# KiCad board GanJing 65 rev 2 solder-rounded.kicad_pcb (continued)
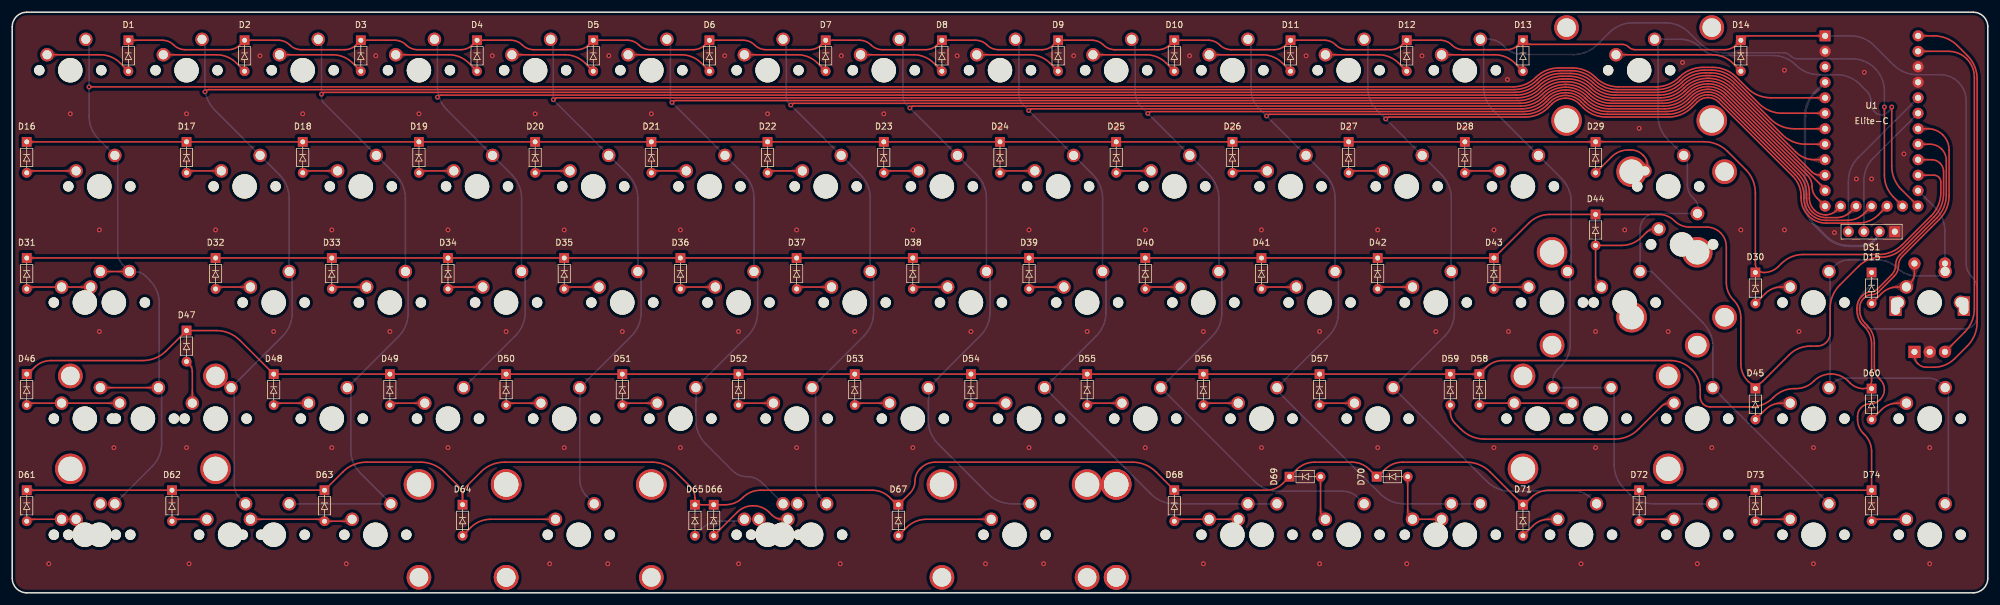
[diagram p0: board, top side]
## Copper pours and planes (outline as drawn; the poured copper is in the pictures) (continued)
Net-(D17-Pad2) on Top: 32.1,69.09 32.36,69.08 32.57,69.04 32.75,68.97 32.9,68.89 33.03,68.8 33.15,68.69 33.28,68.58 33.43,68.46 33.6,68.34 33.81,68.22 34.84,69.22 33.81,70.2 33.6,70.09 33.43,69.97 33.28,69.85 33.15,69.74 33.03,69.63 32.9,69.54 32.75,69.46 32.57,69.39 32.36,69.35 32.1,69.34
Net-(D18-Pad2) on Top: 49.16,69.34 48.95,69.35 48.78,69.37 48.63,69.41 48.5,69.46 48.38,69.51 48.26,69.56 48.14,69.61 48,69.65 47.85,69.68 47.66,69.7 47.26,68.74 48.23,68.37 48.32,68.49 48.4,68.6 48.47,68.7 48.54,68.8 48.6,68.88 48.68,68.95 48.77,69.01 48.87,69.05 49,69.08 49.16,69.09
Net-(D18-Pad2) on Top: 51.15,69.09 51.41,69.08 51.62,69.04 51.8,68.97 51.95,68.89 52.08,68.8 52.2,68.69 52.33,68.58 52.48,68.46 52.65,68.34 52.86,68.22 53.89,69.22 52.86,70.2 52.65,70.09 52.48,69.97 52.33,69.85 52.2,69.74 52.08,69.63 51.95,69.54 51.8,69.46 51.62,69.39 51.41,69.35 51.15,69.34
Net-(D18-Pad2) on Top: 49.16,69.34 48.95,69.35 48.78,69.37 48.63,69.41 48.5,69.46 48.38,69.51 48.26,69.56 48.14,69.61 48,69.65 47.85,69.68 47.66,69.7 47.26,68.74 48.23,68.37 48.32,68.49 48.4,68.6 48.47,68.7 48.54,68.8 48.6,68.88 48.68,68.95 48.77,69.01 48.87,69.05 49,69.08 49.16,69.09
Net-(D18-Pad2) on Top: 51.15,69.09 51.41,69.08 51.62,69.04 51.8,68.97 51.95,68.89 52.08,68.8 52.2,68.69 52.33,68.58 52.48,68.46 52.65,68.34 52.86,68.22 53.89,69.22 52.86,70.2 52.65,70.09 52.48,69.97 52.33,69.85 52.2,69.74 52.08,69.63 51.95,69.54 51.8,69.46 51.62,69.39 51.41,69.35 51.15,69.34
Net-(D19-Pad2) on Top: 68.21,69.34 68,69.35 67.83,69.37 67.68,69.41 67.55,69.46 67.43,69.51 67.31,69.56 67.19,69.61 67.05,69.65 66.9,69.68 66.71,69.7 66.31,68.74 67.28,68.37 67.37,68.49 67.45,68.6 67.52,68.7 67.59,68.8 67.65,68.88 67.73,68.95 67.82,69.01 67.92,69.05 68.05,69.08 68.21,69.09
Net-(D19-Pad2) on Top: 68.21,69.34 68,69.35 67.83,69.37 67.68,69.41 67.55,69.46 67.43,69.51 67.31,69.56 67.19,69.61 67.05,69.65 66.9,69.68 66.71,69.7 66.31,68.74 67.28,68.37 67.37,68.49 67.45,68.6 67.52,68.7 67.59,68.8 67.65,68.88 67.73,68.95 67.82,69.01 67.92,69.05 68.05,69.08 68.21,69.09
Net-(D19-Pad2) on Top: 70.2,69.09 70.46,69.08 70.67,69.04 70.85,68.97 71,68.89 71.13,68.8 71.25,68.69 71.38,68.58 71.53,68.46 71.7,68.34 71.91,68.22 72.94,69.22 71.91,70.2 71.7,70.09 71.53,69.97 71.38,69.85 71.25,69.74 71.13,69.63 71,69.54 70.85,69.46 70.67,69.39 70.46,69.35 70.2,69.34
Net-(D19-Pad2) on Top: 70.2,69.09 70.46,69.08 70.67,69.04 70.85,68.97 71,68.89 71.13,68.8 71.25,68.69 71.38,68.58 71.53,68.46 71.7,68.34 71.91,68.22 72.94,69.22 71.91,70.2 71.7,70.09 71.53,69.97 71.38,69.85 71.25,69.74 71.13,69.63 71,69.54 70.85,69.46 70.67,69.39 70.46,69.35 70.2,69.34
Net-(D20-Pad2) on Top: 87.26,69.34 87.05,69.35 86.88,69.37 86.73,69.41 86.6,69.46 86.48,69.51 86.36,69.56 86.24,69.61 86.1,69.65 85.95,69.68 85.76,69.7 85.36,68.74 86.33,68.37 86.42,68.49 86.5,68.6 86.57,68.7 86.64,68.8 86.7,68.88 86.78,68.95 86.87,69.01 86.97,69.05 87.1,69.08 87.26,69.09
Net-(D20-Pad2) on Top: 89.25,69.09 89.51,69.08 89.72,69.04 89.9,68.97 90.05,68.89 90.18,68.8 90.3,68.69 90.43,68.58 90.58,68.46 90.75,68.34 90.96,68.22 91.99,69.22 90.96,70.2 90.75,70.09 90.58,69.97 90.43,69.85 90.3,69.74 90.18,69.63 90.05,69.54 89.9,69.46 89.72,69.39 89.51,69.35 89.25,69.34
Net-(D20-Pad2) on Top: 87.26,69.34 87.05,69.35 86.88,69.37 86.73,69.41 86.6,69.46 86.48,69.51 86.36,69.56 86.24,69.61 86.1,69.65 85.95,69.68 85.76,69.7 85.36,68.74 86.33,68.37 86.42,68.49 86.5,68.6 86.57,68.7 86.64,68.8 86.7,68.88 86.78,68.95 86.87,69.01 86.97,69.05 87.1,69.08 87.26,69.09
Net-(D20-Pad2) on Top: 89.25,69.09 89.51,69.08 89.72,69.04 89.9,68.97 90.05,68.89 90.18,68.8 90.3,68.69 90.43,68.58 90.58,68.46 90.75,68.34 90.96,68.22 91.99,69.22 90.96,70.2 90.75,70.09 90.58,69.97 90.43,69.85 90.3,69.74 90.18,69.63 90.05,69.54 89.9,69.46 89.72,69.39 89.51,69.35 89.25,69.34
Net-(D21-Pad2) on Top: 108.3,69.09 108.56,69.08 108.77,69.04 108.95,68.97 109.1,68.89 109.23,68.8 109.35,68.69 109.48,68.58 109.63,68.46 109.8,68.34 110.01,68.22 111.04,69.22 110.01,70.2 109.8,70.09 109.63,69.97 109.48,69.85 109.35,69.74 109.23,69.63 109.1,69.54 108.95,69.46 108.77,69.39 108.56,69.35 108.3,69.34
Net-(D21-Pad2) on Top: 108.3,69.09 108.56,69.08 108.77,69.04 108.95,68.97 109.1,68.89 109.23,68.8 109.35,68.69 109.48,68.58 109.63,68.46 109.8,68.34 110.01,68.22 111.04,69.22 110.01,70.2 109.8,70.09 109.63,69.97 109.48,69.85 109.35,69.74 109.23,69.63 109.1,69.54 108.95,69.46 108.77,69.39 108.56,69.35 108.3,69.34
Net-(D21-Pad2) on Top: 106.31,69.34 106.1,69.35 105.93,69.37 105.78,69.41 105.65,69.46 105.53,69.51 105.41,69.56 105.29,69.61 105.15,69.65 105,69.68 104.81,69.7 104.41,68.74 105.38,68.37 105.47,68.49 105.55,68.6 105.62,68.7 105.69,68.8 105.75,68.88 105.83,68.95 105.92,69.01 106.02,69.05 106.15,69.08 106.31,69.09
Net-(D21-Pad2) on Top: 106.31,69.34 106.1,69.35 105.93,69.37 105.78,69.41 105.65,69.46 105.53,69.51 105.41,69.56 105.29,69.61 105.15,69.65 105,69.68 104.81,69.7 104.41,68.74 105.38,68.37 105.47,68.49 105.55,68.6 105.62,68.7 105.69,68.8 105.75,68.88 105.83,68.95 105.92,69.01 106.02,69.05 106.15,69.08 106.31,69.09
Net-(D22-Pad2) on Top: 125.36,69.34 125.15,69.35 124.98,69.37 124.83,69.41 124.7,69.46 124.58,69.51 124.46,69.56 124.34,69.61 124.2,69.65 124.05,69.68 123.86,69.7 123.46,68.74 124.43,68.37 124.52,68.49 124.6,68.6 124.67,68.7 124.74,68.8 124.8,68.88 124.88,68.95 124.97,69.01 125.07,69.05 125.2,69.08 125.36,69.09
Net-(D22-Pad2) on Top: 127.35,69.09 127.61,69.08 127.82,69.04 128,68.97 128.15,68.89 128.28,68.8 128.4,68.69 128.53,68.58 128.68,68.46 128.85,68.34 129.06,68.22 130.09,69.22 129.06,70.2 128.85,70.09 128.68,69.97 128.53,69.85 128.4,69.74 128.28,69.63 128.15,69.54 128,69.46 127.82,69.39 127.61,69.35 127.35,69.34
Net-(D22-Pad2) on Top: 127.35,69.09 127.61,69.08 127.82,69.04 128,68.97 128.15,68.89 128.28,68.8 128.4,68.69 128.53,68.58 128.68,68.46 128.85,68.34 129.06,68.22 130.09,69.22 129.06,70.2 128.85,70.09 128.68,69.97 128.53,69.85 128.4,69.74 128.28,69.63 128.15,69.54 128,69.46 127.82,69.39 127.61,69.35 127.35,69.34
Net-(D22-Pad2) on Top: 125.36,69.34 125.15,69.35 124.98,69.37 124.83,69.41 124.7,69.46 124.58,69.51 124.46,69.56 124.34,69.61 124.2,69.65 124.05,69.68 123.86,69.7 123.46,68.74 124.43,68.37 124.52,68.49 124.6,68.6 124.67,68.7 124.74,68.8 124.8,68.88 124.88,68.95 124.97,69.01 125.07,69.05 125.2,69.08 125.36,69.09
Net-(D23-Pad2) on Top: 144.41,69.34 144.2,69.35 144.03,69.37 143.88,69.41 143.75,69.46 143.63,69.51 143.51,69.56 143.39,69.61 143.25,69.65 143.1,69.68 142.91,69.7 142.51,68.74 143.48,68.37 143.57,68.49 143.65,68.6 143.72,68.7 143.79,68.8 143.85,68.88 143.93,68.95 144.02,69.01 144.12,69.05 144.25,69.08 144.41,69.09
Net-(D23-Pad2) on Top: 146.4,69.09 146.66,69.08 146.87,69.04 147.05,68.97 147.2,68.89 147.33,68.8 147.45,68.69 147.58,68.58 147.73,68.46 147.9,68.34 148.11,68.22 149.14,69.22 148.11,70.2 147.9,70.09 147.73,69.97 147.58,69.85 147.45,69.74 147.33,69.63 147.2,69.54 147.05,69.46 146.87,69.39 146.66,69.35 146.4,69.34
Net-(D23-Pad2) on Top: 144.41,69.34 144.2,69.35 144.03,69.37 143.88,69.41 143.75,69.46 143.63,69.51 143.51,69.56 143.39,69.61 143.25,69.65 143.1,69.68 142.91,69.7 142.51,68.74 143.48,68.37 143.57,68.49 143.65,68.6 143.72,68.7 143.79,68.8 143.85,68.88 143.93,68.95 144.02,69.01 144.12,69.05 144.25,69.08 144.41,69.09
Net-(D23-Pad2) on Top: 146.4,69.09 146.66,69.08 146.87,69.04 147.05,68.97 147.2,68.89 147.33,68.8 147.45,68.69 147.58,68.58 147.73,68.46 147.9,68.34 148.11,68.22 149.14,69.22 148.11,70.2 147.9,70.09 147.73,69.97 147.58,69.85 147.45,69.74 147.33,69.63 147.2,69.54 147.05,69.46 146.87,69.39 146.66,69.35 146.4,69.34
Net-(D24-Pad2) on Top: 163.46,69.34 163.25,69.35 163.08,69.37 162.93,69.41 162.8,69.46 162.68,69.51 162.56,69.56 162.44,69.61 162.3,69.65 162.15,69.68 161.96,69.7 161.56,68.74 162.53,68.37 162.62,68.49 162.7,68.6 162.77,68.7 162.84,68.8 162.9,68.88 162.98,68.95 163.07,69.01 163.17,69.05 163.3,69.08 163.46,69.09
Net-(D24-Pad2) on Top: 165.45,69.09 165.71,69.08 165.92,69.04 166.1,68.97 166.25,68.89 166.38,68.8 166.5,68.69 166.63,68.58 166.78,68.46 166.95,68.34 167.16,68.22 168.19,69.22 167.16,70.2 166.95,70.09 166.78,69.97 166.63,69.85 166.5,69.74 166.38,69.63 166.25,69.54 166.1,69.46 165.92,69.39 165.71,69.35 165.45,69.34
Net-(D24-Pad2) on Top: 163.46,69.34 163.25,69.35 163.08,69.37 162.93,69.41 162.8,69.46 162.68,69.51 162.56,69.56 162.44,69.61 162.3,69.65 162.15,69.68 161.96,69.7 161.56,68.74 162.53,68.37 162.62,68.49 162.7,68.6 162.77,68.7 162.84,68.8 162.9,68.88 162.98,68.95 163.07,69.01 163.17,69.05 163.3,69.08 163.46,69.09
Net-(D24-Pad2) on Top: 165.45,69.09 165.71,69.08 165.92,69.04 166.1,68.97 166.25,68.89 166.38,68.8 166.5,68.69 166.63,68.58 166.78,68.46 166.95,68.34 167.16,68.22 168.19,69.22 167.16,70.2 166.95,70.09 166.78,69.97 166.63,69.85 166.5,69.74 166.38,69.63 166.25,69.54 166.1,69.46 165.92,69.39 165.71,69.35 165.45,69.34
Net-(D25-Pad2) on Top: 182.51,69.34 182.3,69.35 182.13,69.37 181.98,69.41 181.85,69.46 181.73,69.51 181.61,69.56 181.49,69.61 181.35,69.65 181.2,69.68 181.01,69.7 180.61,68.74 181.58,68.37 181.67,68.49 181.75,68.6 181.82,68.7 181.89,68.8 181.95,68.88 182.03,68.95 182.12,69.01 182.22,69.05 182.35,69.08 182.51,69.09
Net-(D25-Pad2) on Top: 184.5,69.09 184.76,69.08 184.97,69.04 185.15,68.97 185.3,68.89 185.43,68.8 185.55,68.69 185.68,68.58 185.83,68.46 186,68.34 186.21,68.22 187.24,69.22 186.21,70.2 186,70.09 185.83,69.97 185.68,69.85 185.55,69.74 185.43,69.63 185.3,69.54 185.15,69.46 184.97,69.39 184.76,69.35 184.5,69.34
Net-(D25-Pad2) on Top: 184.5,69.09 184.76,69.08 184.97,69.04 185.15,68.97 185.3,68.89 185.43,68.8 185.55,68.69 185.68,68.58 185.83,68.46 186,68.34 186.21,68.22 187.24,69.22 186.21,70.2 186,70.09 185.83,69.97 185.68,69.85 185.55,69.74 185.43,69.63 185.3,69.54 185.15,69.46 184.97,69.39 184.76,69.35 184.5,69.34
Net-(D25-Pad2) on Top: 182.51,69.34 182.3,69.35 182.13,69.37 181.98,69.41 181.85,69.46 181.73,69.51 181.61,69.56 181.49,69.61 181.35,69.65 181.2,69.68 181.01,69.7 180.61,68.74 181.58,68.37 181.67,68.49 181.75,68.6 181.82,68.7 181.89,68.8 181.95,68.88 182.03,68.95 182.12,69.01 182.22,69.05 182.35,69.08 182.51,69.09
Net-(D26-Pad2) on Top: 201.56,69.34 201.35,69.35 201.18,69.37 201.03,69.41 200.9,69.46 200.78,69.51 200.66,69.56 200.54,69.61 200.4,69.65 200.25,69.68 200.06,69.7 199.66,68.74 200.63,68.37 200.72,68.49 200.8,68.6 200.87,68.7 200.94,68.8 201,68.88 201.08,68.95 201.17,69.01 201.27,69.05 201.4,69.08 201.56,69.09
Net-(D26-Pad2) on Top: 203.55,69.09 203.81,69.08 204.02,69.04 204.2,68.97 204.35,68.89 204.48,68.8 204.6,68.69 204.73,68.58 204.88,68.46 205.05,68.34 205.26,68.22 206.29,69.22 205.26,70.2 205.05,70.09 204.88,69.97 204.73,69.85 204.6,69.74 204.48,69.63 204.35,69.54 204.2,69.46 204.02,69.39 203.81,69.35 203.55,69.34
Net-(D26-Pad2) on Top: 203.55,69.09 203.81,69.08 204.02,69.04 204.2,68.97 204.35,68.89 204.48,68.8 204.6,68.69 204.73,68.58 204.88,68.46 205.05,68.34 205.26,68.22 206.29,69.22 205.26,70.2 205.05,70.09 204.88,69.97 204.73,69.85 204.6,69.74 204.48,69.63 204.35,69.54 204.2,69.46 204.02,69.39 203.81,69.35 203.55,69.34
Net-(D26-Pad2) on Top: 201.56,69.34 201.35,69.35 201.18,69.37 201.03,69.41 200.9,69.46 200.78,69.51 200.66,69.56 200.54,69.61 200.4,69.65 200.25,69.68 200.06,69.7 199.66,68.74 200.63,68.37 200.72,68.49 200.8,68.6 200.87,68.7 200.94,68.8 201,68.88 201.08,68.95 201.17,69.01 201.27,69.05 201.4,69.08 201.56,69.09
Net-(D27-Pad2) on Top: 222.6,69.09 222.86,69.08 223.07,69.04 223.25,68.97 223.4,68.89 223.53,68.8 223.65,68.69 223.78,68.58 223.93,68.46 224.1,68.34 224.31,68.22 225.34,69.22 224.31,70.2 224.1,70.09 223.93,69.97 223.78,69.85 223.65,69.74 223.53,69.63 223.4,69.54 223.25,69.46 223.07,69.39 222.86,69.35 222.6,69.34
Net-(D27-Pad2) on Top: 222.6,69.09 222.86,69.08 223.07,69.04 223.25,68.97 223.4,68.89 223.53,68.8 223.65,68.69 223.78,68.58 223.93,68.46 224.1,68.34 224.31,68.22 225.34,69.22 224.31,70.2 224.1,70.09 223.93,69.97 223.78,69.85 223.65,69.74 223.53,69.63 223.4,69.54 223.25,69.46 223.07,69.39 222.86,69.35 222.6,69.34
Net-(D27-Pad2) on Top: 220.61,69.34 220.4,69.35 220.23,69.37 220.08,69.41 219.95,69.46 219.83,69.51 219.71,69.56 219.59,69.61 219.45,69.65 219.3,69.68 219.11,69.7 218.71,68.74 219.68,68.37 219.77,68.49 219.85,68.6 219.92,68.7 219.99,68.8 220.05,68.88 220.13,68.95 220.22,69.01 220.32,69.05 220.45,69.08 220.61,69.09
Net-(D27-Pad2) on Top: 220.61,69.34 220.4,69.35 220.23,69.37 220.08,69.41 219.95,69.46 219.83,69.51 219.71,69.56 219.59,69.61 219.45,69.65 219.3,69.68 219.11,69.7 218.71,68.74 219.68,68.37 219.77,68.49 219.85,68.6 219.92,68.7 219.99,68.8 220.05,68.88 220.13,68.95 220.22,69.01 220.32,69.05 220.45,69.08 220.61,69.09
Net-(D28-Pad2) on Top: 241.65,69.09 241.91,69.08 242.12,69.04 242.3,68.97 242.45,68.89 242.58,68.8 242.7,68.69 242.83,68.58 242.98,68.46 243.15,68.34 243.36,68.22 244.39,69.22 243.36,70.2 243.15,70.09 242.98,69.97 242.83,69.85 242.7,69.74 242.58,69.63 242.45,69.54 242.3,69.46 242.12,69.39 241.91,69.35 241.65,69.34
Net-(D28-Pad2) on Top: 241.65,69.09 241.91,69.08 242.12,69.04 242.3,68.97 242.45,68.89 242.58,68.8 242.7,68.69 242.83,68.58 242.98,68.46 243.15,68.34 243.36,68.22 244.39,69.22 243.36,70.2 243.15,70.09 242.98,69.97 242.83,69.85 242.7,69.74 242.58,69.63 242.45,69.54 242.3,69.46 242.12,69.39 241.91,69.35 241.65,69.34
Net-(D28-Pad2) on Top: 239.66,69.34 239.45,69.35 239.28,69.37 239.13,69.41 239,69.46 238.88,69.51 238.76,69.56 238.64,69.61 238.5,69.65 238.35,69.68 238.16,69.7 237.76,68.74 238.73,68.37 238.82,68.49 238.9,68.6 238.97,68.7 239.04,68.8 239.1,68.88 239.18,68.95 239.27,69.01 239.37,69.05 239.5,69.08 239.66,69.09
Net-(D28-Pad2) on Top: 239.66,69.34 239.45,69.35 239.28,69.37 239.13,69.41 239,69.46 238.88,69.51 238.76,69.56 238.64,69.61 238.5,69.65 238.35,69.68 238.16,69.7 237.76,68.74 238.73,68.37 238.82,68.49 238.9,68.6 238.97,68.7 239.04,68.8 239.1,68.88 239.18,68.95 239.27,69.01 239.37,69.05 239.5,69.08 239.66,69.09
Net-(D29-Pad2) on Top: 260.59,70.11 260.45,69.98 260.33,69.89 260.21,69.83 260.09,69.8 259.98,69.77 259.86,69.76 259.73,69.75 259.6,69.73 259.46,69.7 259.29,69.65 259.27,68.61 260.31,68.63 260.36,68.8 260.39,68.94 260.41,69.08 260.42,69.2 260.43,69.32 260.46,69.43 260.49,69.55 260.55,69.67 260.64,69.79 260.77,69.93
Net-(D29-Pad2) on Top: 260.59,70.11 260.45,69.98 260.33,69.89 260.21,69.83 260.09,69.8 259.98,69.77 259.86,69.76 259.73,69.75 259.6,69.73 259.46,69.7 259.29,69.65 259.27,68.61 260.31,68.63 260.36,68.8 260.39,68.94 260.41,69.08 260.42,69.2 260.43,69.32 260.46,69.43 260.49,69.55 260.55,69.67 260.64,69.79 260.77,69.93
Net-(D29-Pad2) on Top: 267.66,71.22 267.74,71.05 267.77,70.9 267.75,70.77 267.69,70.66 267.59,70.55 267.48,70.45 267.34,70.36 267.2,70.26 267.05,70.15 266.91,70.03 267.45,68.7 268.59,69.79 268.49,69.97 268.41,70.13 268.35,70.27 268.3,70.41 268.2,70.67 268.15,70.81 268.08,70.96 267.99,71.14 267.87,71.35
Net-(D29-Pad2) on Top: 267.66,71.22 267.74,71.05 267.77,70.9 267.75,70.77 267.69,70.66 267.59,70.55 267.48,70.45 267.34,70.36 267.2,70.26 267.05,70.15 266.91,70.03 267.45,68.7 268.59,69.79 268.49,69.97 268.41,70.13 268.35,70.27 268.3,70.41 268.2,70.67 268.15,70.81 268.08,70.96 267.99,71.14 267.87,71.35
Net-(D30-Pad2) on Top: 286.79,48.68 286.65,48.55 286.52,48.46 286.4,48.4 286.28,48.37 286.17,48.34 286.05,48.33 285.93,48.32 285.8,48.3 285.65,48.27 285.49,48.22 285.47,47.18 286.51,47.2 286.55,47.37 286.58,47.51 286.6,47.64 286.61,47.77 286.63,47.89 286.65,48 286.69,48.12 286.75,48.24 286.84,48.36 286.96,48.5
Net-(D30-Pad2) on Top: 288.91,49.88 289.2,49.95 289.44,49.97 289.65,49.95 289.84,49.9 290.01,49.81 290.18,49.7 290.35,49.58 290.53,49.44 290.74,49.31 290.99,49.18 292.01,50.16 290.99,51.16 290.72,51.02 290.51,50.9 290.32,50.79 290.15,50.69 289.98,50.6 289.81,50.5 289.62,50.41 289.41,50.32 289.15,50.22 288.84,50.12
Net-(D30-Pad2) on Top: 288.91,49.88 289.2,49.95 289.44,49.97 289.65,49.95 289.84,49.9 290.01,49.81 290.18,49.7 290.35,49.58 290.53,49.44 290.74,49.31 290.99,49.18 292.01,50.16 290.99,51.16 290.72,51.02 290.51,50.9 290.32,50.79 290.15,50.69 289.98,50.6 289.81,50.5 289.62,50.41 289.41,50.32 289.15,50.22 288.84,50.12
Net-(D30-Pad2) on Top: 286.79,48.68 286.65,48.55 286.52,48.46 286.4,48.4 286.28,48.37 286.17,48.34 286.05,48.33 285.93,48.32 285.8,48.3 285.65,48.27 285.49,48.22 285.47,47.18 286.51,47.2 286.55,47.37 286.58,47.51 286.6,47.64 286.61,47.77 286.63,47.89 286.65,48 286.69,48.12 286.75,48.24 286.84,48.36 286.96,48.5
Net-(D31-Pad2) on Top: 10.67,50.04 10.93,50.03 11.14,49.99 11.32,49.92 11.46,49.84 11.6,49.75 11.72,49.64 11.85,49.53 12,49.41 12.17,49.29 12.38,49.18 13.41,50.16 12.38,51.16 12.17,51.04 12,50.92 11.85,50.8 11.72,50.69 11.6,50.58 11.46,50.49 11.32,50.41 11.14,50.34 10.93,50.3 10.67,50.29
Net-(D31-Pad2) on Top: 10.67,50.04 10.93,50.03 11.14,49.99 11.32,49.92 11.46,49.84 11.6,49.75 11.72,49.64 11.85,49.53 12,49.41 12.17,49.29 12.38,49.18 13.41,50.16 12.38,51.16 12.17,51.04 12,50.92 11.85,50.8 11.72,50.69 11.6,50.58 11.46,50.49 11.32,50.41 11.14,50.34 10.93,50.3 10.67,50.29
Net-(D31-Pad2) on Top: 3.92,50.29 3.71,50.3 3.53,50.32 3.38,50.36 3.25,50.41 3.13,50.46 3.02,50.51 2.9,50.56 2.76,50.6 2.6,50.63 2.42,50.65 2.01,49.69 2.99,49.32 3.08,49.44 3.16,49.55 3.23,49.65 3.29,49.75 3.36,49.83 3.43,49.9 3.52,49.96 3.63,50 3.76,50.03 3.92,50.04
Net-(D31-Pad2) on Top: 3.92,50.29 3.71,50.3 3.53,50.32 3.38,50.36 3.25,50.41 3.13,50.46 3.02,50.51 2.9,50.56 2.76,50.6 2.6,50.63 2.42,50.65 2.01,49.69 2.99,49.32 3.08,49.44 3.16,49.55 3.23,49.65 3.29,49.75 3.36,49.83 3.43,49.9 3.52,49.96 3.63,50 3.76,50.03 3.92,50.04
Net-(D32-Pad2) on Top: 36.86,50.04 37.12,50.03 37.33,49.99 37.51,49.92 37.66,49.84 37.79,49.75 37.92,49.64 38.05,49.53 38.19,49.41 38.37,49.29 38.57,49.18 39.6,50.16 38.57,51.16 38.37,51.04 38.19,50.92 38.05,50.8 37.92,50.69 37.79,50.58 37.66,50.49 37.51,50.41 37.33,50.34 37.12,50.3 36.86,50.29
Net-(D32-Pad2) on Top: 34.87,50.29 34.66,50.3 34.49,50.32 34.34,50.36 34.21,50.41 34.09,50.46 33.97,50.51 33.85,50.56 33.72,50.6 33.56,50.63 33.37,50.65 32.97,49.69 33.94,49.32 34.04,49.44 34.11,49.55 34.18,49.65 34.25,49.75 34.32,49.83 34.39,49.9 34.48,49.96 34.58,50 34.72,50.03 34.87,50.04
Net-(D32-Pad2) on Top: 34.87,50.29 34.66,50.3 34.49,50.32 34.34,50.36 34.21,50.41 34.09,50.46 33.97,50.51 33.85,50.56 33.72,50.6 33.56,50.63 33.37,50.65 32.97,49.69 33.94,49.32 34.04,49.44 34.11,49.55 34.18,49.65 34.25,49.75 34.32,49.83 34.39,49.9 34.48,49.96 34.58,50 34.72,50.03 34.87,50.04
Net-(D32-Pad2) on Top: 36.86,50.04 37.12,50.03 37.33,49.99 37.51,49.92 37.66,49.84 37.79,49.75 37.92,49.64 38.05,49.53 38.19,49.41 38.37,49.29 38.57,49.18 39.6,50.16 38.57,51.16 38.37,51.04 38.19,50.92 38.05,50.8 37.92,50.69 37.79,50.58 37.66,50.49 37.51,50.41 37.33,50.34 37.12,50.3 36.86,50.29
Net-(D33-Pad2) on Top: 53.93,50.29 53.71,50.3 53.54,50.32 53.39,50.36 53.26,50.41 53.14,50.46 53.02,50.51 52.9,50.56 52.77,50.6 52.61,50.63 52.42,50.65 52.02,49.69 52.99,49.32 53.09,49.44 53.16,49.55 53.23,49.65 53.3,49.75 53.37,49.83 53.44,49.9 53.53,49.96 53.63,50 53.77,50.03 53.93,50.04
Net-(D33-Pad2) on Top: 53.93,50.29 53.71,50.3 53.54,50.32 53.39,50.36 53.26,50.41 53.14,50.46 53.02,50.51 52.9,50.56 52.77,50.6 52.61,50.63 52.42,50.65 52.02,49.69 52.99,49.32 53.09,49.44 53.16,49.55 53.23,49.65 53.3,49.75 53.37,49.83 53.44,49.9 53.53,49.96 53.63,50 53.77,50.03 53.93,50.04
Net-(D33-Pad2) on Top: 55.91,50.04 56.17,50.03 56.38,49.99 56.56,49.92 56.71,49.84 56.84,49.75 56.97,49.64 57.1,49.53 57.24,49.41 57.42,49.29 57.62,49.18 58.65,50.16 57.62,51.16 57.42,51.04 57.24,50.92 57.1,50.8 56.97,50.69 56.84,50.58 56.71,50.49 56.56,50.41 56.38,50.34 56.17,50.3 55.91,50.29
Net-(D33-Pad2) on Top: 55.91,50.04 56.17,50.03 56.38,49.99 56.56,49.92 56.71,49.84 56.84,49.75 56.97,49.64 57.1,49.53 57.24,49.41 57.42,49.29 57.62,49.18 58.65,50.16 57.62,51.16 57.42,51.04 57.24,50.92 57.1,50.8 56.97,50.69 56.84,50.58 56.71,50.49 56.56,50.41 56.38,50.34 56.17,50.3 55.91,50.29
Net-(D34-Pad2) on Top: 74.96,50.04 75.22,50.03 75.43,49.99 75.61,49.92 75.76,49.84 75.89,49.75 76.02,49.64 76.15,49.53 76.29,49.41 76.47,49.29 76.67,49.18 77.7,50.16 76.67,51.16 76.47,51.04 76.29,50.92 76.15,50.8 76.02,50.69 75.89,50.58 75.76,50.49 75.61,50.41 75.43,50.34 75.22,50.3 74.96,50.29
Net-(D34-Pad2) on Top: 72.97,50.29 72.76,50.3 72.59,50.32 72.44,50.36 72.31,50.41 72.19,50.46 72.07,50.51 71.95,50.56 71.82,50.6 71.66,50.63 71.47,50.65 71.07,49.69 72.04,49.32 72.14,49.44 72.21,49.55 72.28,49.65 72.35,49.75 72.42,49.83 72.49,49.9 72.58,49.96 72.68,50 72.82,50.03 72.97,50.04
Net-(D34-Pad2) on Top: 74.96,50.04 75.22,50.03 75.43,49.99 75.61,49.92 75.76,49.84 75.89,49.75 76.02,49.64 76.15,49.53 76.29,49.41 76.47,49.29 76.67,49.18 77.7,50.16 76.67,51.16 76.47,51.04 76.29,50.92 76.15,50.8 76.02,50.69 75.89,50.58 75.76,50.49 75.61,50.41 75.43,50.34 75.22,50.3 74.96,50.29
Net-(D34-Pad2) on Top: 72.97,50.29 72.76,50.3 72.59,50.32 72.44,50.36 72.31,50.41 72.19,50.46 72.07,50.51 71.95,50.56 71.82,50.6 71.66,50.63 71.47,50.65 71.07,49.69 72.04,49.32 72.14,49.44 72.21,49.55 72.28,49.65 72.35,49.75 72.42,49.83 72.49,49.9 72.58,49.96 72.68,50 72.82,50.03 72.97,50.04
Net-(D35-Pad2) on Top: 94.01,50.04 94.27,50.03 94.48,49.99 94.66,49.92 94.81,49.84 94.94,49.75 95.07,49.64 95.2,49.53 95.34,49.41 95.52,49.29 95.72,49.18 96.75,50.16 95.72,51.16 95.52,51.04 95.34,50.92 95.2,50.8 95.07,50.69 94.94,50.58 94.81,50.49 94.66,50.41 94.48,50.34 94.27,50.3 94.01,50.29
Net-(D35-Pad2) on Top: 94.01,50.04 94.27,50.03 94.48,49.99 94.66,49.92 94.81,49.84 94.94,49.75 95.07,49.64 95.2,49.53 95.34,49.41 95.52,49.29 95.72,49.18 96.75,50.16 95.72,51.16 95.52,51.04 95.34,50.92 95.2,50.8 95.07,50.69 94.94,50.58 94.81,50.49 94.66,50.41 94.48,50.34 94.27,50.3 94.01,50.29
Net-(D35-Pad2) on Top: 92.03,50.29 91.81,50.3 91.64,50.32 91.49,50.36 91.36,50.41 91.24,50.46 91.12,50.51 91,50.56 90.87,50.6 90.71,50.63 90.52,50.65 90.12,49.69 91.09,49.32 91.19,49.44 91.26,49.55 91.33,49.65 91.4,49.75 91.47,49.83 91.54,49.9 91.63,49.96 91.73,50 91.87,50.03 92.03,50.04
Net-(D35-Pad2) on Top: 92.03,50.29 91.81,50.3 91.64,50.32 91.49,50.36 91.36,50.41 91.24,50.46 91.12,50.51 91,50.56 90.87,50.6 90.71,50.63 90.52,50.65 90.12,49.69 91.09,49.32 91.19,49.44 91.26,49.55 91.33,49.65 91.4,49.75 91.47,49.83 91.54,49.9 91.63,49.96 91.73,50 91.87,50.03 92.03,50.04
Net-(D36-Pad2) on Top: 113.06,50.04 113.32,50.03 113.53,49.99 113.71,49.92 113.86,49.84 113.99,49.75 114.12,49.64 114.25,49.53 114.39,49.41 114.57,49.29 114.77,49.18 115.8,50.16 114.77,51.16 114.57,51.04 114.39,50.92 114.25,50.8 114.12,50.69 113.99,50.58 113.86,50.49 113.71,50.41 113.53,50.34 113.32,50.3 113.06,50.29
Net-(D36-Pad2) on Top: 111.08,50.29 110.86,50.3 110.69,50.32 110.54,50.36 110.41,50.41 110.29,50.46 110.17,50.51 110.05,50.56 109.92,50.6 109.76,50.63 109.57,50.65 109.17,49.69 110.14,49.32 110.24,49.44 110.31,49.55 110.38,49.65 110.45,49.75 110.52,49.83 110.59,49.9 110.68,49.96 110.78,50 110.92,50.03 111.08,50.04
Net-(D36-Pad2) on Top: 111.08,50.29 110.86,50.3 110.69,50.32 110.54,50.36 110.41,50.41 110.29,50.46 110.17,50.51 110.05,50.56 109.92,50.6 109.76,50.63 109.57,50.65 109.17,49.69 110.14,49.32 110.24,49.44 110.31,49.55 110.38,49.65 110.45,49.75 110.52,49.83 110.59,49.9 110.68,49.96 110.78,50 110.92,50.03 111.08,50.04
Net-(D36-Pad2) on Top: 113.06,50.04 113.32,50.03 113.53,49.99 113.71,49.92 113.86,49.84 113.99,49.75 114.12,49.64 114.25,49.53 114.39,49.41 114.57,49.29 114.77,49.18 115.8,50.16 114.77,51.16 114.57,51.04 114.39,50.92 114.25,50.8 114.12,50.69 113.99,50.58 113.86,50.49 113.71,50.41 113.53,50.34 113.32,50.3 113.06,50.29
Net-(D37-Pad2) on Top: 132.11,50.04 132.37,50.03 132.58,49.99 132.76,49.92 132.91,49.84 133.04,49.75 133.17,49.64 133.3,49.53 133.44,49.41 133.62,49.29 133.82,49.18 134.85,50.16 133.82,51.16 133.62,51.04 133.44,50.92 133.3,50.8 133.17,50.69 133.04,50.58 132.91,50.49 132.76,50.41 132.58,50.34 132.37,50.3 132.11,50.29